# KiCad board Partial_Drawer_Controller_v1_hotfix.kicad_pcb
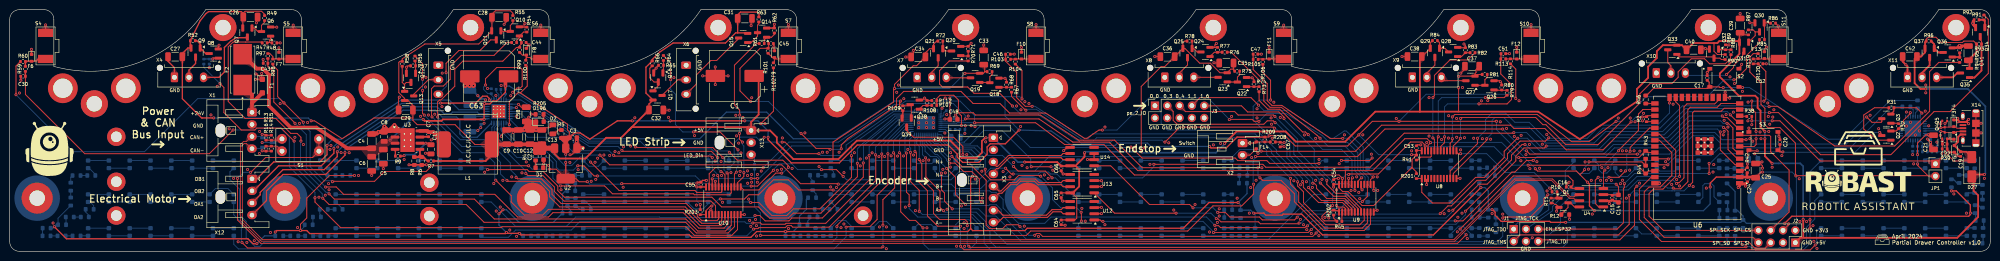
[diagram p0: board, top side]
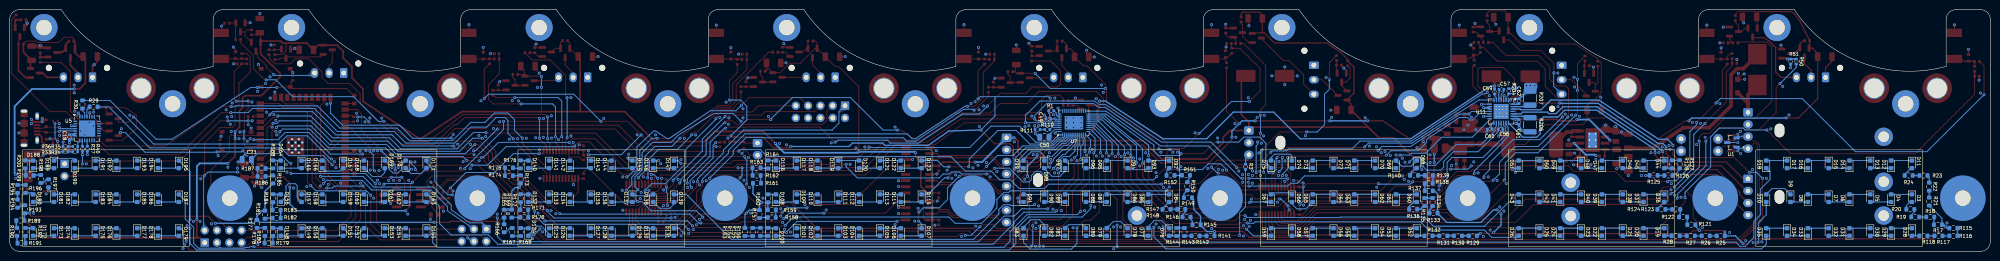
[diagram p1: board, bottom side, seen from below]

Outline 408.72 x 50 mm; copper layers: Top, In1.Cu (plane), In2.Cu (plane), Bottom. Coordinates in mm from the lower left corner of the outline.
Outline path: 0,48 0,2 arc(0.59,0.59) 2,0 406.72,0 arc(408.13,0.59) 408.72,2 408.72,48 arc(408.13,49.41) 406.72,50 398.09,50 arc(384.31,39.08) 366.74,38.26 366.74,48 arc(366.15,49.41) 364.74,50 347,50 arc(333.22,39.08) 315.65,38.26 315.65,48 arc(315.06,49.41) 313.65,50 295.91,50 arc(282.13,39.08) 264.56,38.26 264.56,48 arc(263.97,49.41) 262.56,50 244.82,50 arc(231.04,39.08) 213.47,38.26 213.47,48 arc(212.88,49.41) 211.47,50 193.73,50 arc(179.95,39.08) 162.38,38.26 162.38,48 arc(161.79,49.41) 160.38,50 142.64,50 arc(128.86,39.08) 111.29,38.26 111.29,48 arc(110.7,49.41) 109.29,50 91.55,50 arc(77.77,39.08) 60.2,38.26 60.2,48 arc(59.61,49.41) 58.2,50 40.46,50 arc(26.68,39.08) 9.11,38.26 9.11,48 arc(8.52,49.41) 7.11,50 2,50 arc(0.59,49.41) 0,48
Stack: Top 0.035mm / dielectric 0.1mm FR4 er 4.5 / In1.Cu 0.035mm / dielectric 1.24mm FR4 er 4.5 / In2.Cu 0.035mm / dielectric 0.1mm FR4 er 4.5 / Bottom 0.035mm

## Placement (name value [footprint] x y rotation side)
C1  100uF_80V  [CP_Elec_10x10]  149.63 36.3 180 top
C2  10uF_25V  [C_0603_1608Metric]  110.18 19.71 270 top
C3  10uF_25V  [C_0603_1608Metric]  116.27 23.52 0 top
C4  4u7_50V  [C_1206_3216Metric]  74.7 22.8 90 top
C5  4u7_50V  [C_1206_3216Metric]  77.1 19.6 270 top
C6  4u7_50V  [C_1206_3216Metric]  74.7 18.1 270 top
C7  100n_50V  [C_0402_1005Metric]  86.43 24.18 90 top
C8  220nF_50V  [C_0805_2012Metric]  77.28 23.71 90 top
C9  22uF_25V  [C_1206_3216Metric]  102.56 23.65 90 top
C10  22uF_25V  [C_1206_3216Metric]  104.97 23.65 90 top
C11  1u_50V  [C_0805_2012Metric]  86.93 21.1 270 top
C12  22uF_25V  [C_1206_3216Metric]  107.38 23.65 90 top
C13  22uF_25V  [C_1206_3216Metric]  109.79 23.65 90 top
C14  10uF_25V  [C_0603_1608Metric]  332 10.9 270 top
C15  100n_50V  [C_0402_1005Metric]  330.7 11.1 90 top
C16  100n_50V  [C_0402_1005Metric]  321.7 13.3 180 top
C17  100n_50V  [C_0402_1005Metric]  350.3 35.88 270 top
C18  100n_50V  [C_0402_1005Metric]  396.4 23.63 270 bottom
C19  100n_50V  [C_0402_1005Metric]  402.6 20.12 270 top
C20  100n_50V  [C_0402_1005Metric]  365.3 22.6 270 top
C21  4u7_50V  [C_1206_3216Metric]  397 22.55 270 top
C22  100n_50V  [C_0402_1005Metric]  399.32 22.2 0 top
C23  1u_50V  [C_0805_2012Metric]  359.8 19 0 bottom
C24  100n_50V  [C_0402_1005Metric]  358.61 14.86 270 top
C25  22uF_25V  [C_1206_3216Metric]  360.28 16.7 90 top
C26  22uF_25V  [C_1206_3216Metric]  49.69 48.48 0 top
C27  22uF_25V  [C_1206_3216Metric]  34.15 40.28 180 top
C28  22uF_25V  [C_1206_3216Metric]  100.99 48.42 0 top
C29  22uF_25V  [C_1206_3216Metric]  81.73 29.23 180 top
C30  100n_50V  [C_0402_1005Metric]  2.76 36.22 180 top
C31  22uF_25V  [C_1206_3216Metric]  151.7 48.19 0 top
C32  22uF_25V  [C_1206_3216Metric]  133.4 29.25 0 top
C33  22uF_25V  [C_1206_3216Metric]  201 40.1 90 top
C34  22uF_25V  [C_1206_3216Metric]  187.5 40.23 180 top
C35  22uF_25V  [C_1206_3216Metric]  251.07 38.98 180 top
C36  22uF_25V  [C_1206_3216Metric]  238.93 40.27 180 top
C37  22uF_25V  [C_1206_3216Metric]  301.77 38.3 180 top
C38  22uF_25V  [C_1206_3216Metric]  289.93 40.3 180 top
C39  22uF_25V  [C_1206_3216Metric]  357.1 46.7 90 top
C40  22uF_25V  [C_1206_3216Metric]  347.5 41.7 0 top
C41  22uF_25V  [C_1206_3216Metric]  404.2 41 90 top
C42  22uF_25V  [C_1206_3216Metric]  392.1 40.3 180 top
C43  100n_50V  [C_0402_1005Metric]  52.8 38.9 180 top
C44  100n_50V  [C_0402_1005Metric]  106.08 43.2 0 top
C45  100n_50V  [C_0402_1005Metric]  157.1 43 0 top
C46  100n_50V  [C_0402_1005Metric]  206 40.77 0 top
C47  100n_50V  [C_0402_1005Metric]  257.08 40.8 0 top
C48  10uF_25V  [C_0603_1608Metric]  194.8 27.3 0 top
C49  100n_50V  [C_0402_1005Metric]  194.38 27.4 180 bottom
C50  1u_50V  [C_0805_2012Metric]  195.2 23.6 0 bottom
C51  100n_50V  [C_0402_1005Metric]  308.22 40.9 0 top
C52  100n_50V  [C_0402_1005Metric]  361.3 38.8 0 top
C53  100n_50V  [C_0402_1005Metric]  290.29 21.35 90 top
C54  100n_50V  [C_0402_1005Metric]  273.21 14.34 90 top
C55  100n_50V  [C_0402_1005Metric]  142.6 13.8 90 top
C56  100n_50V  [C_0402_1005Metric]  101.06 25.27 180 bottom
C57  22n_50V  [C_0402_1005Metric]  100.88 33.5 180 bottom
C58  4u7_50V  [C_1206_3216Metric]  106.62 28.34 270 top
C59  100n_50V  [C_0402_1005Metric]  102.3 33.04 270 bottom
C60  100n_50V  [C_0402_1005Metric]  103.31 25.27 0 bottom
C61  100n_50V  [C_0402_1005Metric]  97.25 26.76 270 bottom
C62  100n_50V  [C_0402_1005Metric]  97.25 31.08 90 bottom
C63  100uF_80V  [CP_Elec_10x10]  98.95 36.2 180 top
C64  100n_50V  [C_0402_1005Metric]  216.98 5.99 270 top
C65  100n_50V  [C_0402_1005Metric]  216.98 11.61 270 top
C66  100n_50V  [C_0402_1005Metric]  216.98 17.17 270 top
C67  100n_50V  [C_0402_1005Metric]  262.19 22.09 270 top
D1  Red  [LED_0603_1608Metric]  109.31 17.3 180 top
D2  Yellow  [LED_0805_2012Metric]  112.08 25.24 270 top
D3  White  [LED_0603_1608Metric]  16.18 11 270 bottom
D4  White  [LED_0603_1608Metric]  20.47 11 90 bottom
D5  White  [LED_0603_1608Metric]  24.77 11 270 bottom
D6  White  [LED_0603_1608Metric]  29.06 11 90 bottom
D7  White  [LED_0603_1608Metric]  33.36 11 270 bottom
D8  White  [LED_0603_1608Metric]  37.65 11 90 bottom
D9  White  [LED_0603_1608Metric]  41.25 11 270 bottom
D10  White  [LED_0603_1608Metric]  46.24 11 90 bottom
D11  White  [LED_0603_1608Metric]  16.18 18 270 bottom
D12  White  [LED_0603_1608Metric]  20.47 18 90 bottom
D13  White  [LED_0603_1608Metric]  24.77 18 270 bottom
D14  White  [LED_0603_1608Metric]  29.06 18 90 bottom
D15  White  [LED_0603_1608Metric]  33.36 18 270 bottom
D16  White  [LED_0603_1608Metric]  37.65 18 90 bottom
D17  White  [LED_0603_1608Metric]  41.95 18 270 bottom
D18  White  [LED_0603_1608Metric]  46.24 18 90 bottom
D19  White  [LED_0603_1608Metric]  67.27 4 270 bottom
D20  White  [LED_0603_1608Metric]  71.56 4 90 bottom
D21  White  [LED_0603_1608Metric]  75.86 4 270 bottom
D22  White  [LED_0603_1608Metric]  80.15 4 90 bottom
D23  White  [LED_0603_1608Metric]  84.45 4 270 bottom
D24  White  [LED_0603_1608Metric]  88.74 4 90 bottom
D25  White  [LED_0603_1608Metric]  93.04 4 270 bottom
D26  White  [LED_0603_1608Metric]  97.33 4 90 bottom
D27  SS34  [D_SMA]  404.9 17.5 90 top
D28  White  [LED_0603_1608Metric]  16.18 4 270 bottom
D29  White  [LED_0603_1608Metric]  20.47 4 90 bottom
D30  White  [LED_0603_1608Metric]  24.77 4 270 bottom
D31  White  [LED_0603_1608Metric]  29.06 4 90 bottom
D32  White  [LED_0603_1608Metric]  33.36 4 270 bottom
D33  White  [LED_0603_1608Metric]  37.65 4 90 bottom
D34  White  [LED_0603_1608Metric]  41.95 4 270 bottom
D35  White  [LED_0603_1608Metric]  46.24 4 90 bottom
D36  White  [LED_0603_1608Metric]  67.27 11 270 bottom
D37  White  [LED_0603_1608Metric]  71.56 11 90 bottom
D38  White  [LED_0603_1608Metric]  75.86 11 270 bottom
D39  White  [LED_0603_1608Metric]  80.15 11 90 bottom
D40  White  [LED_0603_1608Metric]  84.45 11 270 bottom
D41  White  [LED_0603_1608Metric]  88.74 11 90 bottom
D42  White  [LED_0603_1608Metric]  93.04 11 270 bottom
D43  White  [LED_0603_1608Metric]  97.33 11 90 bottom
D44  White  [LED_0603_1608Metric]  67.27 18 270 bottom
D45  White  [LED_0603_1608Metric]  71.56 18 90 bottom
D46  White  [LED_0603_1608Metric]  75.86 18 270 bottom
D47  White  [LED_0603_1608Metric]  80.15 18 90 bottom
D48  White  [LED_0603_1608Metric]  84.45 18 270 bottom
D49  White  [LED_0603_1608Metric]  88.74 18 90 bottom
D50  White  [LED_0603_1608Metric]  93.04 18 270 bottom
D51  White  [LED_0603_1608Metric]  97.33 18 90 bottom
D52  White  [LED_0603_1608Metric]  118.36 4 270 bottom
D53  White  [LED_0603_1608Metric]  122.65 4 90 bottom
D54  White  [LED_0603_1608Metric]  126.95 4 270 bottom
D55  White  [LED_0603_1608Metric]  131.24 4 90 bottom
D56  White  [LED_0603_1608Metric]  135.54 4 270 bottom
D57  White  [LED_0603_1608Metric]  139.83 4 90 bottom
D58  White  [LED_0603_1608Metric]  144.13 4 270 bottom
D59  White  [LED_0603_1608Metric]  148.42 4 90 bottom
D60  White  [LED_0603_1608Metric]  118.36 11 270 bottom
D61  White  [LED_0603_1608Metric]  122.65 11 90 bottom
D62  White  [LED_0603_1608Metric]  126.95 11 270 bottom
D63  White  [LED_0603_1608Metric]  131.24 11 90 bottom
D64  White  [LED_0603_1608Metric]  135.54 11 270 bottom
D65  White  [LED_0603_1608Metric]  139.83 11 90 bottom
D66  White  [LED_0603_1608Metric]  144.13 11 270 bottom
D67  White  [LED_0603_1608Metric]  148.42 11 90 bottom
D68  White  [LED_0603_1608Metric]  118.36 18 270 bottom
D69  White  [LED_0603_1608Metric]  122.65 18 90 bottom
D70  White  [LED_0603_1608Metric]  126.95 18 270 bottom
D71  White  [LED_0603_1608Metric]  131.24 18 90 bottom
D72  White  [LED_0603_1608Metric]  135.54 18 270 bottom
D73  White  [LED_0603_1608Metric]  139.83 18 90 bottom
D74  White  [LED_0603_1608Metric]  144.13 18 270 bottom
D75  White  [LED_0603_1608Metric]  148.42 18 90 bottom
D76  White  [LED_0603_1608Metric]  169.45 4 270 bottom
D77  White  [LED_0603_1608Metric]  173.74 4 90 bottom
D78  White  [LED_0603_1608Metric]  178.04 4 270 bottom
D79  White  [LED_0603_1608Metric]  182.33 4 90 bottom
D80  White  [LED_0603_1608Metric]  186.63 4 270 bottom
D81  White  [LED_0603_1608Metric]  190.92 4 90 bottom
D82  White  [LED_0603_1608Metric]  195.22 4 270 bottom
D83  White  [LED_0603_1608Metric]  199.51 4 90 bottom
D84  White  [LED_0603_1608Metric]  169.45 11 270 bottom
D85  White  [LED_0603_1608Metric]  173.74 11 90 bottom
D86  White  [LED_0603_1608Metric]  178.04 11 270 bottom
D87  White  [LED_0603_1608Metric]  182.33 11 90 bottom
D88  White  [LED_0603_1608Metric]  186.63 11 270 bottom
D89  White  [LED_0603_1608Metric]  190.92 11 90 bottom
D90  White  [LED_0603_1608Metric]  195.22 11 270 bottom
D91  White  [LED_0603_1608Metric]  199.51 11 90 bottom
D92  White  [LED_0603_1608Metric]  169.45 18 270 bottom
D93  White  [LED_0603_1608Metric]  173.74 18 90 bottom
D94  White  [LED_0603_1608Metric]  178.04 18 270 bottom
D95  White  [LED_0603_1608Metric]  182.33 18 90 bottom
D96  White  [LED_0603_1608Metric]  186.63 18 270 bottom
D97  White  [LED_0603_1608Metric]  190.92 18 90 bottom
D98  White  [LED_0603_1608Metric]  195.22 18 270 bottom
D99  White  [LED_0603_1608Metric]  199.51 18 90 bottom
D100  White  [LED_0603_1608Metric]  250.6 4 90 bottom
D101  White  [LED_0603_1608Metric]  246.31 4 270 bottom
D102  White  [LED_0603_1608Metric]  242.01 4 90 bottom
D103  White  [LED_0603_1608Metric]  237.72 4 270 bottom
D104  White  [LED_0603_1608Metric]  233.42 4 90 bottom
D105  White  [LED_0603_1608Metric]  229.13 4 270 bottom
D106  White  [LED_0603_1608Metric]  224.83 4 90 bottom
D107  White  [LED_0603_1608Metric]  220.54 4 270 bottom
D108  White  [LED_0603_1608Metric]  250.6 11 90 bottom
D109  White  [LED_0603_1608Metric]  246.31 11 270 bottom
D110  White  [LED_0603_1608Metric]  242.01 11 90 bottom
D111  White  [LED_0603_1608Metric]  237.72 11 270 bottom
D112  White  [LED_0603_1608Metric]  233.42 11 90 bottom
D113  White  [LED_0603_1608Metric]  229.13 11 270 bottom
D114  White  [LED_0603_1608Metric]  224.83 11 90 bottom
D115  White  [LED_0603_1608Metric]  220.54 11 270 bottom
D116  White  [LED_0603_1608Metric]  250.6 18 90 bottom
D117  White  [LED_0603_1608Metric]  246.31 18 270 bottom
D118  White  [LED_0603_1608Metric]  242.01 18 90 bottom
D119  White  [LED_0603_1608Metric]  237.72 18 270 bottom
D120  White  [LED_0603_1608Metric]  233.42 18 90 bottom
D121  White  [LED_0603_1608Metric]  229.13 18 270 bottom
D122  White  [LED_0603_1608Metric]  224.83 18 90 bottom
D123  White  [LED_0603_1608Metric]  220.54 18 270 bottom
D124  White  [LED_0603_1608Metric]  301.69 4 90 bottom
D125  White  [LED_0603_1608Metric]  297.4 4 270 bottom
D126  White  [LED_0603_1608Metric]  293.1 4 90 bottom
D127  White  [LED_0603_1608Metric]  288.81 4 270 bottom
D128  White  [LED_0603_1608Metric]  284.51 4 90 bottom
D129  White  [LED_0603_1608Metric]  280.22 4 270 bottom
D130  White  [LED_0603_1608Metric]  275.92 4 90 bottom
D131  White  [LED_0603_1608Metric]  271.63 4 270 bottom
D132  White  [LED_0603_1608Metric]  301.69 11 90 bottom
D133  White  [LED_0603_1608Metric]  297.4 11 270 bottom
D134  White  [LED_0603_1608Metric]  293.1 11 90 bottom
D135  White  [LED_0603_1608Metric]  288.81 11 270 bottom
D136  White  [LED_0603_1608Metric]  284.51 11 90 bottom
D137  White  [LED_0603_1608Metric]  280.22 11 270 bottom
D138  White  [LED_0603_1608Metric]  275.92 11 90 bottom
D139  White  [LED_0603_1608Metric]  271.63 11 270 bottom
D140  White  [LED_0603_1608Metric]  301.69 18 90 bottom
D141  White  [LED_0603_1608Metric]  297.4 18 270 bottom
D142  White  [LED_0603_1608Metric]  293.1 18 90 bottom
D143  White  [LED_0603_1608Metric]  288.81 18 270 bottom
D144  White  [LED_0603_1608Metric]  284.51 18 90 bottom
D145  White  [LED_0603_1608Metric]  280.22 18 270 bottom
D146  White  [LED_0603_1608Metric]  275.92 18 90 bottom
D147  White  [LED_0603_1608Metric]  271.63 18 270 bottom
D148  White  [LED_0603_1608Metric]  352.78 4 90 bottom
D149  White  [LED_0603_1608Metric]  348.49 4 270 bottom
D150  White  [LED_0603_1608Metric]  344.19 4 90 bottom
D151  White  [LED_0603_1608Metric]  339.9 4 270 bottom
D152  White  [LED_0603_1608Metric]  335.6 4 90 bottom
D153  White  [LED_0603_1608Metric]  331.31 4 270 bottom
D154  White  [LED_0603_1608Metric]  327.01 4 90 bottom
D155  White  [LED_0603_1608Metric]  322.72 4 270 bottom
D156  White  [LED_0603_1608Metric]  352.78 11 90 bottom
D157  White  [LED_0603_1608Metric]  348.49 11 270 bottom
D158  White  [LED_0603_1608Metric]  344.19 11 90 bottom
D159  White  [LED_0603_1608Metric]  339.9 11 270 bottom
D160  White  [LED_0603_1608Metric]  335.6 11 90 bottom
D161  White  [LED_0603_1608Metric]  331.31 11 270 bottom
D162  White  [LED_0603_1608Metric]  327.01 11 90 bottom
D163  White  [LED_0603_1608Metric]  322.72 11 270 bottom
D164  White  [LED_0603_1608Metric]  352.78 18 90 bottom
D165  White  [LED_0603_1608Metric]  348.49 18 270 bottom
D166  White  [LED_0603_1608Metric]  344.19 18 90 bottom
D167  White  [LED_0603_1608Metric]  339.9 18 270 bottom
D168  White  [LED_0603_1608Metric]  335.6 18 90 bottom
D169  White  [LED_0603_1608Metric]  331.31 18 270 bottom
D170  White  [LED_0603_1608Metric]  327.01 18 90 bottom
D171  White  [LED_0603_1608Metric]  322.72 18 270 bottom
D172  White  [LED_0603_1608Metric]  403.87 4 90 bottom
D173  White  [LED_0603_1608Metric]  399.58 4 270 bottom
D174  White  [LED_0603_1608Metric]  395.28 4 90 bottom
D175  White  [LED_0603_1608Metric]  390.99 4 270 bottom
D176  White  [LED_0603_1608Metric]  386.69 4 90 bottom
D177  White  [LED_0603_1608Metric]  382.4 4 270 bottom
D178  White  [LED_0603_1608Metric]  378.1 4 90 bottom
D179  White  [LED_0603_1608Metric]  373.81 4 270 bottom
D180  White  [LED_0603_1608Metric]  403.87 11 90 bottom
D181  White  [LED_0603_1608Metric]  399.58 11 270 bottom
D182  White  [LED_0603_1608Metric]  395.28 11 90 bottom
D183  White  [LED_0603_1608Metric]  390.99 11 270 bottom
D184  White  [LED_0603_1608Metric]  386.69 11 90 bottom
D185  White  [LED_0603_1608Metric]  382.4 11 270 bottom
D186  White  [LED_0603_1608Metric]  378.1 11 90 bottom
D187  White  [LED_0603_1608Metric]  373.81 11 270 bottom
D188  White  [LED_0603_1608Metric]  403.87 18 90 bottom
D189  White  [LED_0603_1608Metric]  399.58 18 270 bottom
D190  White  [LED_0603_1608Metric]  395.28 18 90 bottom
D191  White  [LED_0603_1608Metric]  390.99 18 270 bottom
D192  White  [LED_0603_1608Metric]  386.69 18 90 bottom
D193  White  [LED_0603_1608Metric]  382.4 18 270 bottom
D194  White  [LED_0603_1608Metric]  378.1 18 90 bottom
D195  White  [LED_0603_1608Metric]  373.81 18 270 bottom
D196  Red  [LED_0603_1608Metric]  109.41 26.82 0 top
F1  SMF30CA  [D_SOD-123F]  52.14 34.19 270 top
F2  2A  [Fuse_154_OMNI_BLOK]  48.07 37.6 90 top
F3  LESD5D5.0CT1G  [D_SOD-523]  401.2 23.9 90 top
F4  LESD5D5.0CT1G  [D_SOD-523]  401.2 26.5 270 top
F5  LESD5D5.0CT1G  [D_SOD-523]  401.3 21.2 90 top
F6  LESD5D5.0CT1G  [D_SOD-523]  4.51 40.03 270 top
F7  LESD5D5.0CT1G  [D_SOD-523]  55.56 40.47 270 top
F8  LESD5D5.0CT1G  [D_SOD-523]  106.62 41.3 270 top
F9  LESD5D5.0CT1G  [D_SOD-523]  157.8 40.8 270 top
F10  LESD5D5.0CT1G  [D_SOD-523]  208.8 40.5 270 top
F11  LESD5D5.0CT1G  [D_SOD-523]  259.9 40.5 270 top
F12  LESD5D5.0CT1G  [D_SOD-523]  311 40.5 270 top
F13  LESD5D5.0CT1G  [D_SOD-523]  362.1 40.6 270 top
F14  LESD5D5.0CT1G  [D_SOD-523]  257.24 21.93 90 top
G***  -  [LOGO]  386.4 2.4 0 top
G***#2  -  [LOGO]  381.5 21.3 0 top
G***#3  -  [LOGO]  8.2 21.2 0 top
G***#4  -  [LOGO]  381.5 12.7 0 top
H1  MountingHole  [MountingHole_3.2mm_M3_DIN965_Pad_TopBottom]  17.47 30.53 0 top
H2  MountingHole  [MountingHole_3.2mm_M3_DIN965_Pad_TopBottom]  44.01 46.3 0 top
H3  MountingHole  [MountingHole_3.2mm_M3_DIN965_Pad_TopBottom]  68.56 30.53 0 top
H4  MountingHole  [MountingHole_3.2mm_M3_DIN965_Pad_TopBottom]  95.1 46.3 0 top
H5  MountingHole  [MountingHole_3.2mm_M3_DIN965_Pad_TopBottom]  119.65 30.53 0 top
H6  MountingHole  [MountingHole_3.2mm_M3_DIN965_Pad_TopBottom]  146.19 46.3 0 top
H7  MountingHole  [MountingHole_3.2mm_M3_DIN965_Pad_TopBottom]  170.74 30.53 0 top
H8  MountingHole  [MountingHole_3.2mm_M3_DIN965_Pad_TopBottom]  197.28 46.3 0 top
H9  MountingHole  [MountingHole_3.2mm_M3_DIN965_Pad_TopBottom]  221.83 30.53 0 top
H10  MountingHole  [MountingHole_3.2mm_M3_DIN965_Pad_TopBottom]  248.37 46.3 0 top
H11  MountingHole  [MountingHole_3.2mm_M3_DIN965_Pad_TopBottom]  272.92 30.53 0 top
H12  MountingHole  [MountingHole_3.2mm_M3_DIN965_Pad_TopBottom]  299.46 46.3 0 top
H13  MountingHole  [MountingHole_3.2mm_M3_DIN965_Pad_TopBottom]  324.01 30.53 0 top
H14  MountingHole  [MountingHole_3.2mm_M3_DIN965_Pad_TopBottom]  350.55 46.3 0 top
H15  MountingHole  [MountingHole_3.2mm_M3_DIN965_Pad_TopBottom]  375.1 30.53 0 top
H16  MountingHole  [MountingHole_3.2mm_M3_DIN965_Pad_TopBottom]  401.64 46.3 0 top
H17  MountingHole  [MountingHole_4mm_Pad_6.15mm_TopOnly]  10.97 33.74 0 top
H18  MountingHole  [MountingHole_4mm_Pad_6.15mm_TopOnly]  23.97 33.74 0 top
H19  MountingHole  [MountingHole_4mm_Pad_6.15mm_TopOnly]  62.06 33.74 0 top
H20  MountingHole  [MountingHole_4mm_Pad_6.15mm_TopOnly]  75.06 33.74 0 top
H21  MountingHole  [MountingHole_4mm_Pad_6.15mm_TopOnly]  113.15 33.74 0 top
H22  MountingHole  [MountingHole_4mm_Pad_6.15mm_TopOnly]  126.15 33.74 0 top
H23  MountingHole  [MountingHole_4mm_Pad_6.15mm_TopOnly]  164.24 33.74 0 top
H24  MountingHole  [MountingHole_4mm_Pad_6.15mm_TopOnly]  177.24 33.74 0 top
H25  MountingHole  [MountingHole_4mm_Pad_6.15mm_TopOnly]  215.33 33.74 0 top
H26  MountingHole  [MountingHole_4mm_Pad_6.15mm_TopOnly]  228.33 33.74 0 top
H27  MountingHole  [MountingHole_4mm_Pad_6.15mm_TopOnly]  266.42 33.74 0 top
H28  MountingHole  [MountingHole_4mm_Pad_6.15mm_TopOnly]  279.42 33.74 0 top
H29  MountingHole  [MountingHole_4mm_Pad_6.15mm_TopOnly]  317.51 33.74 0 top
H30  MountingHole  [MountingHole_4mm_Pad_6.15mm_TopOnly]  330.51 33.74 0 top
H31  MountingHole  [MountingHole_4mm_Pad_6.15mm_TopOnly]  368.6 33.74 0 top
H32  MountingHole  [MountingHole_4mm_Pad_6.15mm_TopOnly]  381.6 33.74 0 top
H33  MountingHole  [MountingHole_3.2mm_M3_Pad_Top_6.4mm_Bottom_9.4mm]  56.76 11 0 top
H34  MountingHole  [MountingHole_3.2mm_M3_Pad_Top_6.4mm_Bottom_9.4mm]  107.85 11 0 top
H35  MountingHole  [MountingHole_3.2mm_M3_Pad_Top_6.4mm_Bottom_9.4mm]  158.94 11 0 top
H36  MountingHole  [MountingHole_3.2mm_M3_Pad_Top_6.4mm_Bottom_9.4mm]  210.03 11 0 top
H37  MountingHole  [MountingHole_3.2mm_M3_Pad_Top_6.4mm_Bottom_9.4mm]  261.12 11 0 top
H38  MountingHole  [MountingHole_3.2mm_M3_Pad_Top_6.4mm_Bottom_9.4mm]  312.21 11 0 top
H39  MountingHole  [MountingHole_3.2mm_M3_Pad_Top_6.4mm_Bottom_9.4mm]  363.3 11 0 top
H40  MountingHole  [MountingHole_3.2mm_M3_Pad_Top_6.4mm_Bottom_9.4mm]  5.67 11 0 top
H41  MountingHole  [MountingHole_2.2mm_M2_DIN965_Pad_TopBottom]  86.6 7.3 0 top
H42  MountingHole  [MountingHole_2.2mm_M2_DIN965_Pad_TopBottom]  22 7.4 0 top
H43  MountingHole  [MountingHole_2.2mm_M2_DIN965_Pad_TopBottom]  176.1 7.4 0 top
H44  MountingHole  [MountingHole_2.2mm_M2_DIN965_Pad_TopBottom]  22 14.4 0 top
H45  MountingHole  [MountingHole_2.2mm_M2_DIN965_Pad_TopBottom]  86.6 14.2 0 top
H46  MountingHole  [MountingHole_2.2mm_M2_DIN965_Pad_TopBottom]  22 23.7 0 top
J1  Conn_02x03_Odd_Even  [PinSocket_2x03_P2.54mm_Vertical]  310.36 4.6 90 top
J2  Conn_02x04_Odd_Even  [PinSocket_2x04_P2.54mm_Vertical]  368.48 1.8 270 top
J3  Conn_02x05_Odd_Even  [PinSocket_2x05_P2.54mm_Vertical]  236.34 30.14 90 top
JP1  Jumper_2_Open  [PinHeader_1x02_P2.54mm_Vertical]  397.4 18.1 0 top
L1  15uH@4.5A  [Power_Inductor_SMDRI127]  94.55 22.12 90 top
Q1  AO3400A  [SOT-23]  320.64 10.05 0 top
Q2  SS8050  [SOT-23]  387.26 23.95 180 top
Q3  SS8050  [SOT-23]  387.26 27.45 180 top
Q4  2N7002T-7-F  [SOT-523]  399.3 23.95 90 top
Q5  2N7002T-7-F  [SOT-523]  399.3 26.34 270 top
Q6  AO3400A  [SOT-23]  52.91 45.47 180 top
Q7  AO3401A  [SOT-23]  49.05 45.26 270 top
Q8  AO3400A  [SOT-23]  42.1 40.92 180 top
Q9  AO3401A  [SOT-23]  38.36 41.12 270 top
Q10  AO3400A  [SOT-23]  104.24 45.5 180 top
Q11  AO3401A  [SOT-23]  100.42 44.69 270 top
Q12  AO3400A  [SOT-23]  82.81 35.89 270 top
Q13  AO3401A  [SOT-23]  82.44 32.15 0 top
Q14  AO3400A  [SOT-23]  155.26 45.24 180 top
Q15  AO3401A  [SOT-23]  151.36 44.14 180 top
Q16  AO3400A  [SOT-23]  133.85 35.96 270 top
Q17  AO3401A  [SOT-23]  133.69 32.25 0 top
Q18  AO3400A  [SOT-23]  203.2 34.89 180 top
Q19  AO3401A  [SOT-23]  199.24 35.9 180 top
Q20  AO3400A  [SOT-23]  195.31 41.45 180 top
Q21  AO3401A  [SOT-23]  191.6 40.99 270 top
Q22  AO3400A  [SOT-23]  254.29 35.02 180 top
Q23  AO3401A  [SOT-23]  250.31 36 180 top
Q24  AO3400A  [SOT-23]  246.76 41.25 180 top
Q25  AO3401A  [SOT-23]  243.05 41.02 270 top
Q26  AO3400A  [SOT-23]  305.36 34.35 180 top
Q27  AO3401A  [SOT-23]  301.44 35.3 180 top
Q28  AO3400A  [SOT-23]  297.86 41.25 180 top
Q29  AO3401A  [SOT-23]  294.1 41.06 270 top
Q30  AO3400A  [SOT-23]  361.1 46.34 270 top
Q31  AO3401A  [SOT-23]  357.9 42.34 270 top
Q32  AO3400A  [SOT-23]  351.7 40.9 270 top
Q33  AO3401A  [SOT-23]  343.1 41.7 180 top
Q34  AO3400A  [SOT-23]  406.64 45.36 270 top
Q35  AO3401A  [SOT-23]  403.5 36.9 180 top
Q36  AO3400A  [SOT-23]  399.94 41.15 180 top
Q37  AO3401A  [SOT-23]  396.2 41.04 270 top
Q38  AO3400A  [SOT-23]  186.76 30.35 180 top
Q39  AO3401A  [SOT-23]  185.1 26.64 270 top
R1  10K  [R_0402_1005Metric]  193.81 29.1 180 bottom
R2  1K  [R_0402_1005Metric]  337.76 27.33 270 top
R3  330  [R_0402_1005Metric]  153.7 17.5 270 bottom
R4  4K7  [R_0603_1608Metric]  108.52 19.64 270 top
R5  4K7  [R_0603_1608Metric]  113.86 24.28 90 top
R6  27K  [R_0603_1608Metric]  85.03 18.69 270 top
R7  100K  [R_0402_1005Metric]  86.93 18.69 180 top
R8  330K  [R_0603_1608Metric]  83.5 18.69 270 top
R9  100K  [R_0402_1005Metric]  80.1 19.7 180 top
R10  100  [R_0402_1005Metric]  318.8 12.3 0 top
R11  10K  [R_0402_1005Metric]  318.1 10.5 270 top
R12  10K  [R_0603_1608Metric]  321 7.6 180 top
R13  120  [R_0402_1005Metric]  52.9 23.51 270 top
R14  120  [R_0402_1005Metric]  54 21.25 270 top
R15  120  [R_0402_1005Metric]  54 23.51 270 top
R16  120  [R_0402_1005Metric]  52.9 21.25 270 top
R17  10  [R_0603_1608Metric]  10.8 5.5 0 bottom
R18  10  [R_0603_1608Metric]  12.4 7.1 0 bottom
R19  10  [R_0603_1608Metric]  15.5 7.1 0 bottom
R20  10  [R_0603_1608Metric]  16.5 8.7 0 bottom
R21  10  [R_0603_1608Metric]  12.6 10.3 90 bottom
R22  10  [R_0603_1608Metric]  12.6 13.38 90 bottom
R23  10  [R_0603_1608Metric]  13.79 15.68 0 bottom
R24  10  [R_0603_1608Metric]  16.84 15.69 0 bottom
R25  10  [R_0603_1608Metric]  55.62 3.2 0 bottom
R26  10  [R_0603_1608Metric]  58.72 3.2 0 bottom
R27  10  [R_0603_1608Metric]  61.8 3.2 0 bottom
R28  10  [R_0603_1608Metric]  64.92 3.2 0 bottom